# KiCad board Marble.kicad_pcb (continued)
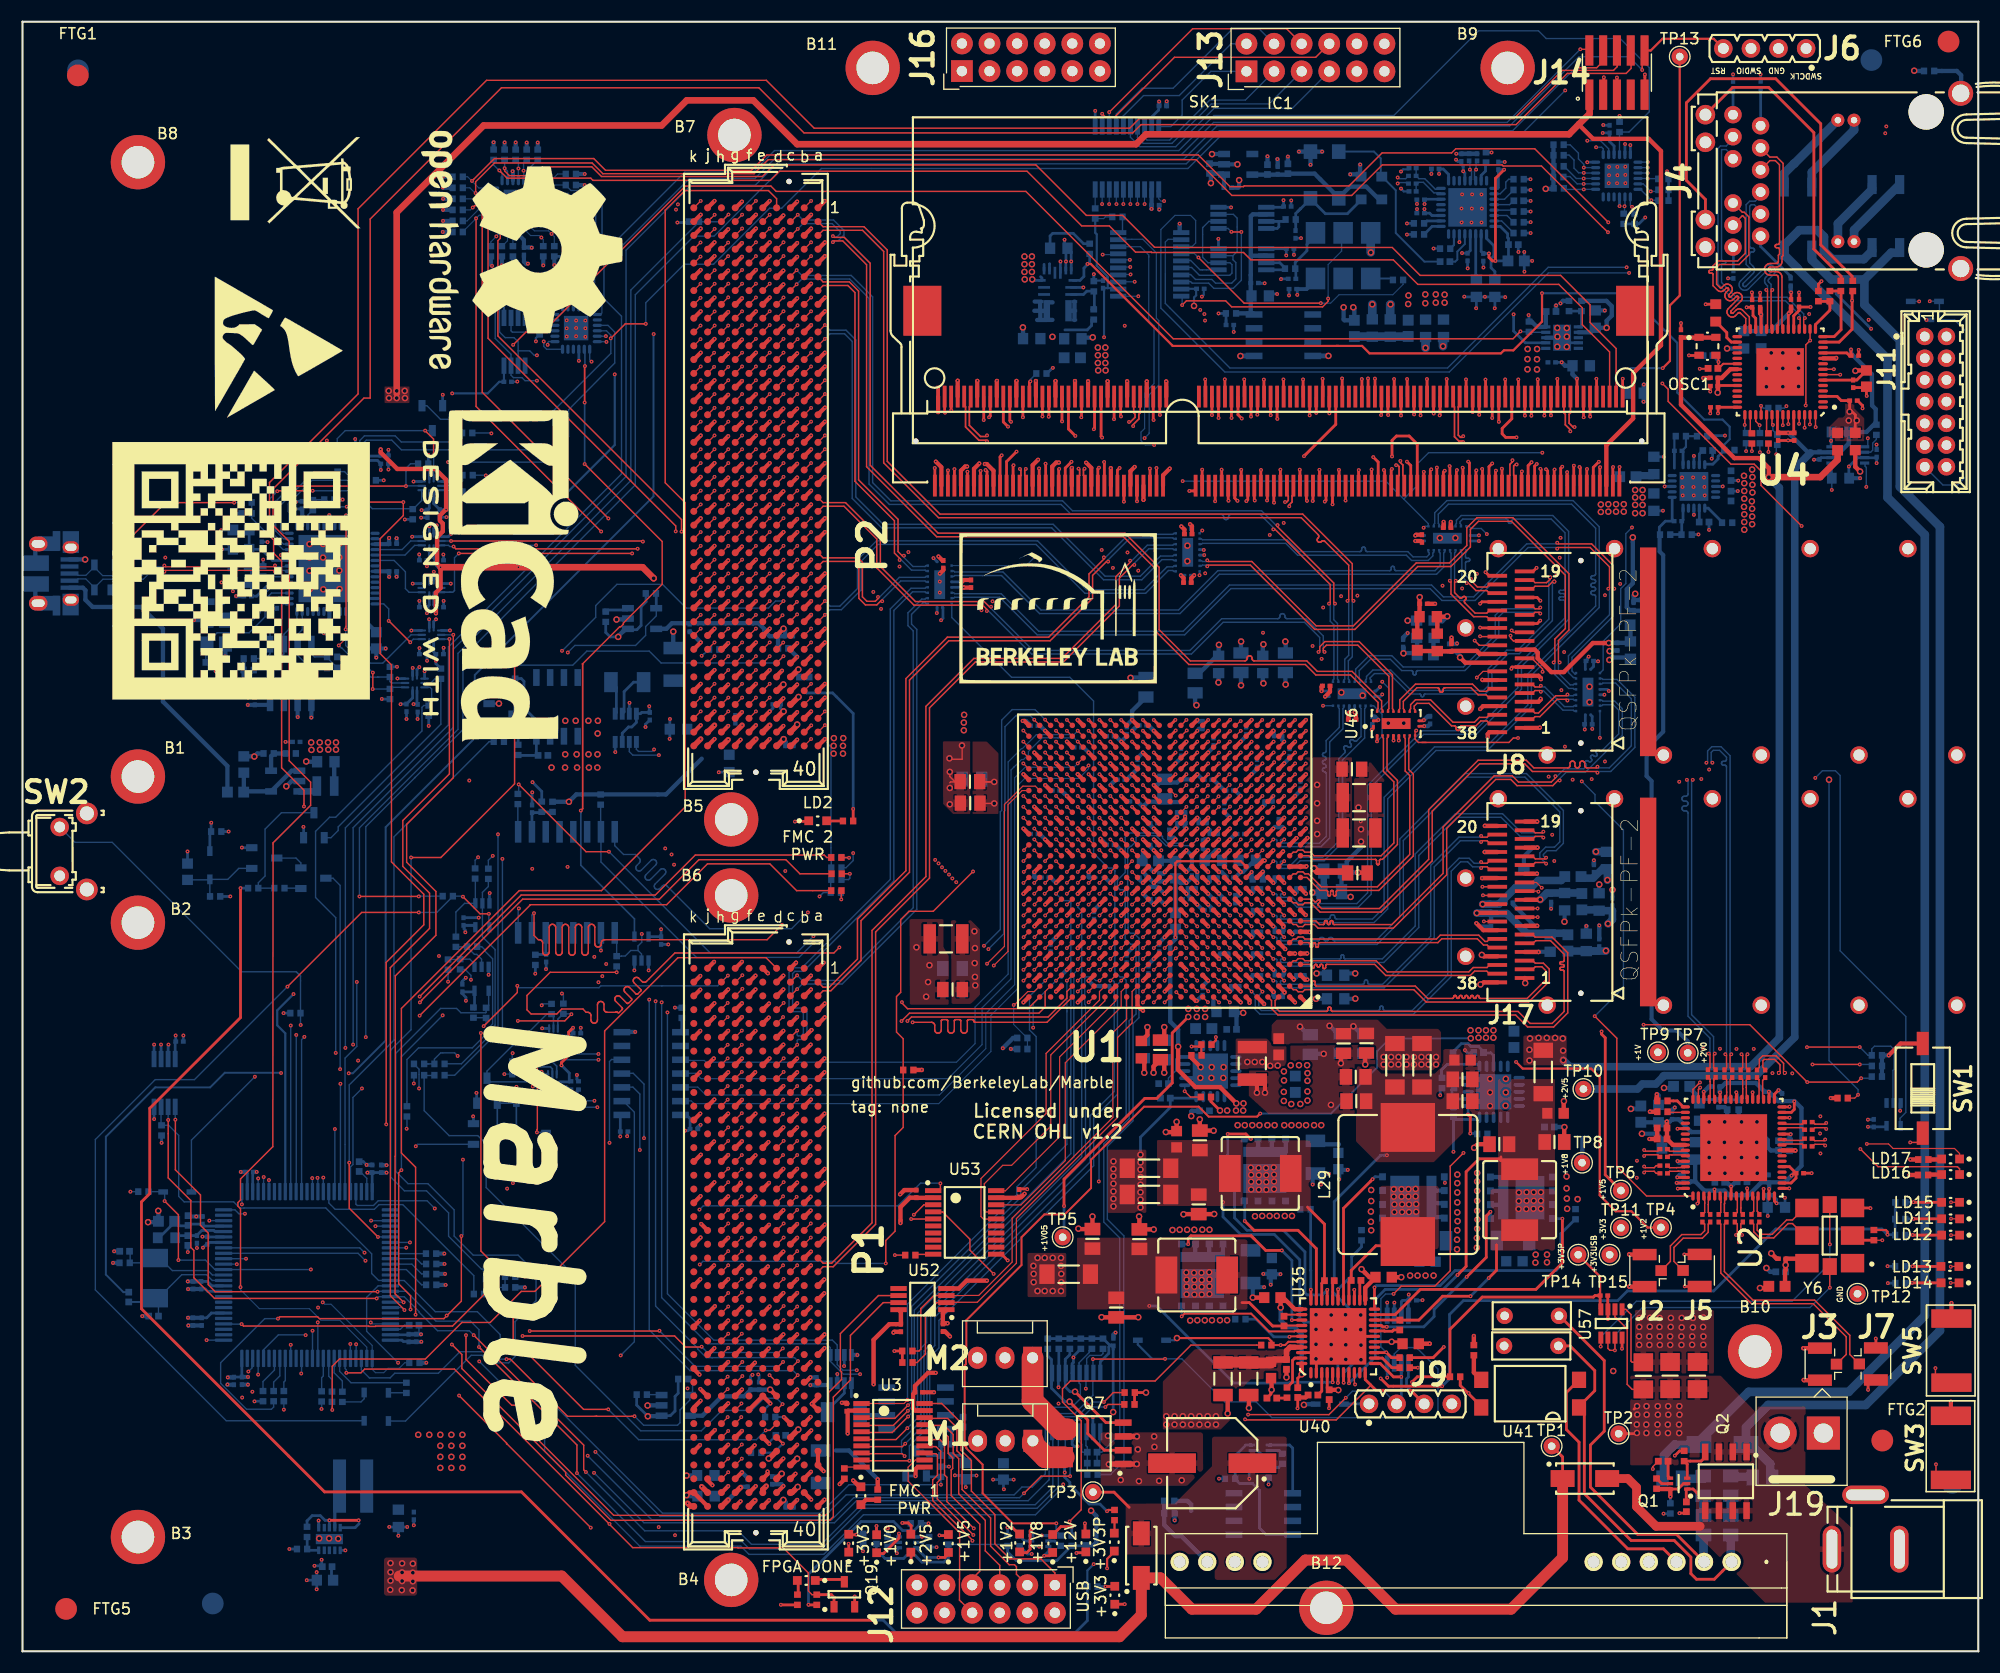
[diagram p0: board, top side]
## Routing (per net, layer and track width the routed paths; a pad name or vN(x,y) marks a point on that pad's centre or on a via; arc(x,y) is an arc through that point) (continued)
FMC1_LA_16_N: length 57.9
  Top w0.11: U1.K17 v1(101.12,68.73)
  Top w0.112: v1(66.2,40.63) 65.59,40.02 P1.G19
  In2.Cu w0.1: v1(66.2,40.63) 66.2,41.04 66.13,41.11 65.64,41.11 65.39,41.36 65.39,42.18 65.89,42.68 66.42,42.68 67.58,43.84 76.49,43.84 81.26,48.61 93.16,48.61 101.18,56.64 101.18,59.06 101.47,59.36 101.47,68.38 v1(101.12,68.73)
FMC1_LA_16_P: length 57.4
  Top w0.11: U1.K16 v1(102.12,68.73)
  Top w0.112: P1.G18 65.6,41.28 v1(66.2,41.88)
  In2.Cu w0.1: v1(66.2,41.88) 66.2,41.5 66.1,41.4 65.76,41.4 65.68,41.48 65.68,42.06 66.01,42.39 66.54,42.39 67.7,43.55 76.61,43.55 81.38,48.32 93.28,48.32 101.47,56.52 101.47,58.94 101.76,59.24 101.76,67.73 101.77,67.74 101.77,68.38 v1(102.12,68.73)
FMC1_LA_17_N: length 54.2
  Top w0.11: v1(109.1,62.74) 108.62,63.22 U1.D10
  Top w0.112: v1(70.05,38.08) 69.44,37.47 P1.D21
  In9.Cu w0.1: v1(109.1,62.74) 108.76,63.08 106.74,63.08 105.78,62.11 105.78,57.87 105.85,57.8 105.85,57.1 105.78,57.03 96.7,47.96 83.9,47.96 74.52,38.59 70.56,38.59 v1(70.05,38.08)
FMC1_LA_17_P: length 54.2
  Top w0.102: U1.E10 v1(109.12,63.73)
  Top w0.112: P1.D20 69.41,38.74 v1(70.05,39.38)
  In9.Cu w0.1: v1(109.12,63.73) 108.76,63.37 106.62,63.37 105.49,62.23 105.49,57.75 105.56,57.68 105.56,57.22 105.49,57.15 96.58,48.25 83.78,48.25 74.4,38.88 70.56,38.88 v1(70.05,39.38)
FMC1_LA_18_N: length 53.2
  Top w0.102: U1.C11 v1(108.12,61.73)
  Top w0.112: P1.C23 70.7,34.93 v1(71.3,35.53)
  In9.Cu w0.1: v1(108.12,61.73) 107.76,61.37 107.76,60.48 106.58,59.29 106.58,56.71 105.86,56 105.86,52.79 104.35,51.28 101.72,51.28 97.3,46.86 84.64,46.86 73.81,36.04 71.81,36.04 v1(71.3,35.53)
FMC1_LA_18_P: length 52.7
  Top w0.11: v1(107.1,61.74) 106.62,62.22 U1.C12
  Top w0.112: v1(71.3,36.83) 70.67,36.2 P1.C22
  In9.Cu w0.1: v1(71.3,36.83) 71.81,36.33 73.69,36.33 84.52,47.15 97.18,47.15 101.6,51.57 104.23,51.57 105.57,52.91 105.57,56.12 106.29,56.83 106.29,59.41 107.47,60.6 107.47,61.37 v1(107.1,61.74)
FMC1_LA_19_N: length 59.7
  Top w0.102: U1.G14 v1(104.12,65.73)
  Top w0.112: P1.H23 64.35,34.93 v1(64.95,35.53)
  In2.Cu w0.1: v1(64.95,35.53) 65.45,36.04 66.95,36.04 69.38,38.47 75.97,38.47 83.19,45.69 93.82,45.69 103.04,54.91 103.04,57.94 103.76,58.67 103.76,65.87 103.98,66.09 104.05,66.09 104.12,66.01 v1(104.12,65.73)
FMC1_LA_19_P: length 59.7
  Top w0.102: U1.H14 v1(104.12,66.73)
  Top w0.112: P1.H22 64.32,36.2 v1(64.95,36.83)
  In2.Cu w0.1: v1(104.12,66.73) 104.12,66.73 104.12,66.45 104.04,66.38 103.86,66.38 103.47,65.99 103.47,58.79 102.75,58.06 102.75,55.03 93.7,45.98 83.07,45.98 75.85,38.76 69.26,38.76 66.83,36.33 65.45,36.33 v1(64.95,36.83)
FMC1_LA_20_N: length 53
  Top w0.112: P1.G22 65.59,36.22 v1(66.2,36.83)
  Top w0.127: v1(103.12,59.72) 103.62,60.22 U1.A15
  In9.Cu w0.1: v1(103.12,59.72) 103.12,60.03 103.07,60.08 102.81,60.08 102.77,60.03 102.77,59.1 101.93,58.27 101.93,57.82 95.98,51.86 80.73,51.86 73.76,44.89 68.22,44.89 66.96,43.64 66.96,37.67 66.6,37.31 66.26,37.31 66.2,37.25 v1(66.2,36.83)
FMC1_LA_20_P: length 53
  Top w0.112: P1.G21 65.59,37.47 v1(66.2,38.08)
  Top w0.127: U1.B15 103.61,61.23 v1(103.12,60.73)
  In9.Cu w0.1: v1(103.12,60.73) 103.12,60.43 103.06,60.37 102.69,60.37 102.48,60.15 102.48,59.22 101.64,58.39 101.64,57.94 95.86,52.15 80.61,52.15 73.64,45.18 68.1,45.18 66.67,43.76 66.67,37.79 66.48,37.6 66.25,37.6 66.2,37.65 v1(66.2,38.08)
FMC1_LA_21_N: length 57.8
  Top w0.102: U1.D13 v1(105.12,62.73)
  Top w0.112: v1(64.95,31.73) 64.34,31.12 P1.H26
  In4.Cu w0.1: v1(105.12,62.73) 104.76,62.38 104.76,58.65 104.4,58.29 104.4,56.48 81.39,33.46 68.59,33.46 67.34,32.21 65.43,32.21 v1(64.95,31.73)
FMC1_LA_21_P: length 57.4
  Top w0.102: U1.D14 v1(104.12,62.73)
  Top w0.112: P1.H25 64.36,32.39 v1(64.95,32.98)
  In4.Cu w0.1: v1(104.12,62.73) 104.47,62.38 104.47,58.77 104.11,58.41 104.11,56.6 81.27,33.75 68.47,33.75 67.22,32.5 65.43,32.5 v1(64.95,32.98)
FMC1_LA_22_N: length 57.7
  Top w0.102: U1.A14 v1(104.12,59.73)
  Top w0.112: v1(66.2,33.03) 65.59,32.42 P1.G25
  In9.Cu w0.1: v1(66.2,33.03) 66.68,33.51 67.8,33.51 68.13,33.84 68.13,43.32 68.5,43.69 75.62,43.69 82.58,50.65 96.31,50.65 102.93,57.26 102.93,57.7 103.76,58.54 103.76,59.98 103.87,60.09 104.06,60.09 104.12,60.03 v1(104.12,59.73)
FMC1_LA_22_P: length 57.7
  Top w0.102: U1.B14 v1(104.12,60.73)
  Top w0.112: P1.G24 65.59,33.67 v1(66.2,34.28)
  In9.Cu w0.1: v1(104.12,60.73) 104.12,60.43 104.07,60.38 103.75,60.38 103.47,60.1 103.47,58.66 102.64,57.82 102.64,57.38 96.19,50.94 82.46,50.94 75.5,43.98 68.37,43.98 67.84,43.44 67.84,33.96 67.68,33.8 66.68,33.8 v1(66.2,34.28)
FMC1_LA_23_N: length 56.1
  Top w0.102: U1.F12 v1(107.12,64.73)
  Top w0.112: P1.D24 69.43,33.66 v1(70.05,34.28)
  In4.Cu w0.1: v1(70.05,34.28) 70.5,34.74 81.37,34.74 103.03,56.39 103.03,57.97 103.76,58.71 103.76,64.91 103.94,65.09 106.76,65.09 v1(107.12,64.73)
FMC1_LA_23_P: length 56.2
  Top w0.102: U1.G12 v1(107.12,65.73)
  Top w0.112: v1(70,35.53) 69.4,34.93 P1.D23
  In4.Cu w0.1: v1(70,35.53) 70.5,35.03 81.25,35.03 102.74,56.51 102.74,58.09 103.47,58.83 103.47,65.03 103.82,65.38 106.76,65.38 v1(107.12,65.73)
FMC1_LA_24_N: length 63.1
  Top w0.102: U1.A8 v1(111.12,59.73)
  Top w0.112: v1(64.95,27.93) 64.33,27.31 P1.H29
  In4.Cu w0.1: v1(64.95,27.93) 65.45,28.44 80.84,28.44 103.43,51.02 105.38,51.02 107.03,52.67 107.03,53.35 108.82,55.15 109.58,55.15 110.77,56.33 110.77,59.38 v1(111.12,59.73)
FMC1_LA_24_P: length 62.7
  Top w0.102: U1.A9 110.12,59.73 v1(110.12,59.73)
  Top w0.112: v1(64.95,29.23) 64.32,28.6 P1.H28
  In4.Cu w0.1: v1(110.12,59.73) 110.48,59.38 110.48,56.45 109.46,55.44 108.7,55.44 106.74,53.47 106.74,52.79 105.26,51.31 103.3,51.31 80.72,28.73 65.45,28.73 v1(64.95,29.23)
FMC1_LA_25_N: length 66.6
  Top w0.11: v1(110.12,65.72) 109.62,66.22 U1.G9
  Top w0.112: v1(66.2,29.23) 65.59,28.62 P1.G28
  In4.Cu w0.1: v1(110.12,65.72) 109.77,65.37 109.77,57.47 109.01,56.71 107.76,56.71 107.21,56.16 107.21,55.15 106.01,53.95 106.01,52.84 105,51.84 102.67,51.84 93.11,42.28 93.11,42.07 92.51,41.47 92.31,41.47 80.52,29.69 66.66,29.69 v1(66.2,29.23)
FMC1_LA_25_P: length 66.1
  Top w0.102: U1.G10 v1(109.12,65.73)
  Top w0.112: v1(66.2,30.43) 65.62,29.85 P1.G27
  In4.Cu w0.1: v1(109.12,65.73) 109.48,65.37 109.48,57.59 108.89,57 107.64,57 106.92,56.28 106.92,55.27 105.72,54.07 105.72,52.96 104.88,52.13 102.55,52.13 92.82,42.4 92.82,42.19 92.39,41.76 92.19,41.76 80.4,29.98 66.66,29.98 v1(66.2,30.43)
  In9.Cu w0.127: 109.12,65.73 v1(109.12,65.73)
FMC1_LA_26_N: length 56.5
  Top w0.11: U1.E12 v1(106.15,63.76)
  Top w0.112: P1.D27 69.42,29.85 v1(70.05,30.48)
  In4.Cu w0.1: v1(106.15,63.76) 106.15,64 106.06,64.1 105.9,64.1 105.79,64 105.79,58.33 106.13,57.99 106.13,56.85 80.26,30.99 70.56,30.99 v1(70.05,30.48)
FMC1_LA_26_P: length 56.6
  Top w0.11: v1(106.14,64.72) 105.65,64.23 U1.E13
  Top w0.112: v1(70.05,31.78) 69.4,31.13 P1.D26
  In4.Cu w0.1: v1(70.05,31.78) 70.56,31.28 80.14,31.28 105.84,56.97 105.84,57.87 105.5,58.21 105.5,64.15 105.75,64.39 106.04,64.39 106.14,64.49 v1(106.14,64.72)
FMC1_LA_27_N: length 54.3
  Top w0.102: U1.F13 v1(105.12,64.73)
  Top w0.112: P1.C27 70.67,29.85 v1(71.3,30.48)
  In7.Cu w0.1: v1(105.12,64.73) 104.76,64.38 104.76,58.15 104.38,57.76 104.38,55.9 79.44,30.96 71.78,30.96 v1(71.3,30.48)
FMC1_LA_27_P: length 53.9
  Top w0.102: U1.F14 v1(104.12,64.73)
  Top w0.112: P1.C26 70.69,31.12 v1(71.3,31.73)
  In7.Cu w0.1: v1(104.12,64.73) 104.47,64.38 104.47,58.27 104.09,57.88 104.09,56.02 79.32,31.25 71.78,31.25 v1(71.3,31.73)
  Bottom w0.127: v1(104.12,64.73) 104.12,64.71
FMC1_LA_28_N: length 71.3
  Top w0.102: U1.H13 v1(105.12,66.73)
  Top w0.112: P1.H32 64.32,23.55 v1(64.9,24.13)
  In2.Cu w0.1: 105.12,66.74 105.12,67.02 105.05,67.09 104.98,67.09 104.76,66.88 104.76,58.46 104.36,58.06 104.36,55.14 102.64,53.42 102.64,52.84 94.49,44.7 85.38,44.7 75.32,34.64 75.32,27.11 74,25.79 70.57,25.79 69.34,24.56 65.33,24.56 v1(64.9,24.13)
FMC1_LA_28_P: length 71.2
  Top w0.102: U1.J13 v1(105.12,67.73)
  Top w0.112: P1.H31 64.39,24.77 v1(64.9,25.28)
  In2.Cu w0.1: v1(64.9,25.28) 65.33,24.85 69.22,24.85 70.45,26.08 73.88,26.08 75.03,27.23 75.03,34.76 85.26,44.99 94.37,44.99 102.35,52.96 102.35,53.54 104.07,55.26 104.07,58.18 104.47,58.58 104.47,67 104.86,67.38 105.04,67.38 105.12,67.46 105.12,67.73
FMC1_LA_29_N: length 71.5
  Top w0.102: U1.F8 v1(111.12,64.73)
  Top w0.112: v1(66.25,25.33) 65.69,24.77 P1.G31
  In4.Cu w0.1: v1(66.25,25.33) 66.75,25.84 74.38,25.84 75.15,26.61 80.75,26.61 104.21,50.07 106.71,50.07 108.19,51.55 110.83,51.55 111.77,52.49 111.77,59.56 111.77,59.56 111.77,59.9 111.77,59.9 111.77,60.07 111.46,60.37 110.97,60.37 110.76,60.58 110.76,64.38 v1(111.12,64.73)
FMC1_LA_29_P: length 71
  Top w0.102: v1(110.12,64.73) 110.12,64.73 U1.F9
  Top w0.112: P1.G30 65.66,26.04 v1(66.25,26.63)
  In4.Cu w0.1: v1(66.25,26.63) 66.75,26.13 74.26,26.13 75.03,26.9 80.63,26.9 104.09,50.36 106.59,50.36 108.07,51.84 110.71,51.84 111.48,52.61 111.48,59.44 111.48,59.44 111.48,59.95 111.34,60.08 110.85,60.08 110.47,60.46 110.47,64.38 v1(110.12,64.73)
FMC1_LA_30_N: length 72.9
  Top w0.112: P1.H35 64.36,19.69 v1(64.95,20.28)
  Top w0.127: U1.B11 107.67,61.23 v1(108.13,60.77)
  In2.Cu w0.1: v1(108.13,60.77) 107.75,60.38 107.75,60.16 107.19,59.61 107.06,59.61 106.77,59.31 106.77,56.93 107.2,56.49 107.2,52.58 105.79,51.17 104.29,51.17 93.46,40.34 85.18,40.34 77.89,33.05 77.89,23.64 73.81,19.56 69.53,19.56 69.18,19.91 69.18,20.33 68.76,20.75 65.42,20.75 v1(64.95,20.28)
FMC1_LA_30_P: length 72.1
  Top w0.112: P1.H34 64.9,21.54 v1(64.9,21.56)
  Top w0.127: v1(107.08,60.76) 107.08,60.77 U1.B12
  In2.Cu w0.1: v1(107.08,60.76) 106.48,60.15 106.48,56.81 106.91,56.37 106.91,52.7 105.67,51.46 104.17,51.46 93.37,40.66 85.09,40.66 77.6,33.17 77.6,23.76 73.69,19.85 69.65,19.85 69.47,20.03 69.47,20.45 68.88,21.04 65.42,21.04 v1(64.9,21.56)
FMC1_LA_31_N: length 67.7
  Top w0.112: v1(66.15,21.56) 66.15,21.52 P1.G34
  Top w0.127: v1(106.19,60.67) 106.62,60.24 U1.A12
  In2.Cu w0.1: v1(106.19,60.67) 105.86,60.34 105.86,60.27 106,60.12 106,56.24 105.51,55.75 105.51,54.57 105.9,54.18 105.9,52.6 105.32,52.03 103.58,52.03 95.22,43.66 86.8,43.66 76.36,33.22 76.36,24.59 73.82,22.05 66.64,22.05 v1(66.15,21.56)
FMC1_LA_31_P: length 67.2
  Top w0.112: 65.61,22.22 66.17,22.78
  Top w0.127: U1.A13 105.62,60.23 v1(105.12,59.73)
  In2.Cu w0.1: v1(105.12,59.73) 105.49,60.11 105.61,60.11 105.71,60 105.71,56.36 105.22,55.87 105.22,54.45 105.61,54.06 105.61,52.73 105.2,52.32 103.46,52.32 95.1,43.95 86.68,43.95 76.07,33.34 76.07,24.71 73.7,22.34 66.64,22.34 v1(66.17,22.81)
FMC1_LA_32_N: length 75.8
  Top w0.102: U1.C13 v1(105.12,61.73)
  Top w0.112: P1.H38 64.35,15.88 v1(64.95,16.48)
  In9.Cu w0.1: v1(105.12,61.73) 104.76,61.38 104.76,58.47 104.43,58.14 104.43,57.23 96.68,49.48 83.22,49.48 73.65,39.9 69.88,39.9 69.57,39.6 69.57,17.33 69.2,16.96 65.43,16.96 65.12,16.66 65.12,16.66 v1(64.95,16.48)
FMC1_LA_32_P: length 75.3
  Top w0.102: U1.C14 v1(104.12,61.73)
  Top w0.112: P1.H37 64.37,17.15 v1(64.95,17.73)
  In9.Cu w0.1: v1(104.12,61.73) 104.47,61.38 104.47,58.59 104.14,58.26 104.14,57.35 96.56,49.77 83.1,49.77 73.53,40.19 69.76,40.19 69.28,39.72 69.28,17.45 69.08,17.25 65.43,17.25 65.13,17.56 65.12,17.56 v1(64.95,17.73)
FMC1_LA_33_N: length 82.9
  Top w0.112: P1.G37 65.62,17.15 v1(66.2,17.73)
  Top w0.127: v1(109.1,59.75) 108.62,60.23 U1.A10
  In9.Cu w0.1: v1(66.2,17.73) 65.69,18.24 64.62,18.24 64.4,18.02 64.4,16.17 64.72,15.86 70.96,15.86 71.1,16 71.31,16 71.87,16.56 71.87,20.64 71.68,20.83 71.68,25.23 71.72,25.27 71.72,26.88 71.68,26.92 71.68,33.76 72.84,34.91 74.18,34.91 84.91,45.63 98.21,45.63 102.83,50.25 104.53,50.25 106.94,52.65 106.94,54.02 108.16,55.24 108.16,56.49 109.46,57.79 109.46,60.02 109.36,60.12 109.19,60.12 109.1,60.03 v1(109.1,59.75)
FMC1_LA_33_P: length 84.6
  Top w0.112: v1(66.2,19.03) 65.59,18.42 P1.G36
  Top w0.127: U1.B10 108.65,61.23 v1(109.13,60.75)
  In9.Cu w0.1: v1(109.13,60.75) 109.75,60.13 109.75,57.67 108.45,56.37 108.45,55.12 107.23,53.9 107.23,52.53 104.65,49.96 102.95,49.96 98.33,45.34 85.03,45.34 74.3,34.62 72.96,34.62 71.97,33.64 71.97,27.04 72.01,27 72.01,25.15 71.97,25.11 71.97,20.95 72.16,20.76 72.16,16.44 71.43,15.71 71.22,15.71 71.08,15.57 64.6,15.57 64.11,16.05 64.11,18.14 64.5,18.53 65.69,18.53 v1(66.2,19.03)
FMC2_DP0_C2M_N: length 90.4
  Top w0.127: v1(71.35,130.93) 70.75,130.33 P2.C3
  Top w0.13: v1(74.58,130.26) 74.69,130.15 75.63,130.15 78.01,127.77 78.01,109.18 84.27,102.92 101.46,102.92 104.61,99.78 104.61,94.04 107.48,91.16 112.48,91.16 112.53,91.17 112.58,91.19 112.62,91.21 112.66,91.25 112.68,91.29 112.7,91.34 112.71,91.39 112.71,91.41 112.71,91.46 112.73,91.51 112.76,91.55 112.79,91.59 112.83,91.62 112.88,91.63 112.93,91.64 112.98,91.63 113.03,91.62 113.07,91.59 113.11,91.55 113.13,91.51 113.15,91.46 113.16,91.41 113.16,91.39 113.16,91.34 113.18,91.29 113.21,91.25 113.24,91.21 113.28,91.19 113.33,91.17 113.38,91.16 118.2,91.16 119.17,90.2 122.37,90.2 125.09,87.48 125.09,86.76 125.17,86.67 125.17,86.5
  Bottom w0.13: v1(71.35,130.93) 71.84,131.42 74.51,131.42 75.27,130.66 75.27,130.5 74.92,130.15 74.69,130.15 v1(74.58,130.26)
FMC2_DP0_C2M_P: length 90.4
  Top w0.127: v1(71.35,132.23) 70.72,131.6 P2.C2
  Top w0.13: 124.67,86.5 124.67,86.67 124.75,86.76 124.75,87.34 122.23,89.87 119.03,89.87 118.06,90.83 107.35,90.83 104.28,93.9 104.28,99.64 101.33,102.59 84.13,102.59 77.68,109.04 77.68,127.63 75.49,129.82 74.69,129.82 v1(74.58,129.71)
  Bottom w0.13: v1(74.58,129.71) 74.69,129.82 75.06,129.82 75.6,130.36 75.6,130.79 74.65,131.75 71.84,131.75 v1(71.35,132.23)
FMC2_DP0_M2C_N: length 81.7
  Top w0.127: P2.C7 70.67,125.25 v1(71.25,125.83)
  Top w0.13: v1(120.25,96.43) 120.36,96.54 120.36,98.19 115.27,103.28 v1(115.12,103.28)
  Bottom w0.13: v1(115.12,103.28) 115.12,103.43 113.9,104.65 111.22,104.65 111.17,104.65 111.12,104.63 111.08,104.6 111.05,104.57 111.02,104.52 111,104.48 111,104.43 111,104.39 110.99,104.34 110.97,104.3 110.95,104.25 110.91,104.22 110.87,104.19 110.82,104.17 110.77,104.17 110.72,104.17 110.67,104.19 110.63,104.22 110.6,104.25 110.57,104.3 110.55,104.34 110.55,104.39 110.55,104.43 110.54,104.48 110.52,104.52 110.5,104.57 110.46,104.6 110.42,104.63 110.37,104.65 110.32,104.65 96.5,104.65 95.59,105.57 79.79,105.57 77.91,107.44 77.91,124.53 76.13,126.32 71.73,126.32 v1(71.25,125.83) ; v1(120.25,96.43) 120.36,96.32 120.36,94.82 120.69,94.48 120.69,89.5 120.61,89.41 U48.12
FMC2_DP0_M2C_P: length 81.7
  Top w0.127: v1(71.25,127.13) 70.67,126.55 P2.C6
  Top w0.13: v1(120.8,96.43) 120.69,96.54 120.69,98.33 115.51,103.51 v1(115.51,103.66)
  Bottom w0.13: v1(71.25,127.13) 71.73,126.65 76.27,126.65 78.24,124.67 78.24,107.58 79.92,105.9 95.72,105.9 96.64,104.98 114.04,104.98 115.35,103.66 v1(115.51,103.66) ; v1(120.8,96.43) 120.69,96.32 120.69,94.95 121.03,94.61 121.03,89.5 121.11,89.41 U48.13
FMC2_DP1_C2M_N: length 68.9
  Top w0.13: P2.A23 73.68,105.4 75.61,105.4 78.62,102.39 78.62,99.72 82.05,96.29 88.37,96.29 88.75,95.91 v1(88.75,95.76) ; v1(119.28,91.99) 119.39,92.1 119.39,92.46 119.87,92.94 123.03,92.94 126.09,89.88 126.09,86.76 126.17,86.67 126.17,86.5
  Bottom w0.13: v1(119.28,91.99) 119.39,92.1 119.39,93.32 117.99,94.72 110.5,94.72 107.58,91.8 92.87,91.8 88.91,95.76 v1(88.75,95.76)
FMC2_DP1_C2M_P: length 68.9
  Top w0.13: v1(89.14,96.15) 88.99,96.15 88.51,96.62 82.18,96.62 78.95,99.86 78.95,102.52 75.74,105.73 73.68,105.73 P2.A22 ; 125.67,86.5 125.67,86.67 125.75,86.76 125.75,89.75 122.89,92.61 120,92.61 119.72,92.33 119.72,92.1 v1(119.83,91.99)
  Bottom w0.13: v1(89.14,96.15) 89.14,95.99 93,92.13 107.45,92.13 110.37,95.05 115.5,95.05 115.55,95.06 115.6,95.07 115.64,95.1 115.68,95.13 115.71,95.18 115.72,95.22 115.73,95.27 115.73,95.29 115.73,95.34 115.75,95.39 115.78,95.43 115.81,95.47 115.86,95.5 115.9,95.51 115.95,95.52 116,95.51 116.05,95.5 116.09,95.47 116.13,95.43 116.16,95.39 116.17,95.34 116.18,95.29 116.18,95.27 116.18,95.22 116.2,95.18 116.23,95.13 116.26,95.1 116.31,95.07 116.35,95.06 116.4,95.05 118.12,95.05 119.72,93.45 119.72,92.1 v1(119.83,91.99)
FMC2_DP1_M2C_N: length 84.8
  Top w0.13: v1(121.95,96.69) 122.06,96.8 122.06,99.97 119.87,102.16 119.83,102.19 119.79,102.21 119.74,102.22 119.69,102.22 119.64,102.21 119.59,102.19 119.55,102.16 119.54,102.15 119.5,102.11 119.46,102.09 119.41,102.08 119.36,102.08 119.31,102.09 119.26,102.11 119.22,102.15 119.19,102.18 119.17,102.23 119.16,102.28 119.16,102.33 119.17,102.38 119.19,102.42 119.22,102.46 119.24,102.48 119.27,102.52 119.29,102.56 119.3,102.61 119.3,102.66 119.29,102.71 119.27,102.76 119.24,102.79 117.68,104.35 84.31,104.35 79.26,109.4 79.26,128.85 77.31,130.8 73.68,130.8 P2.A3
  Bottom w0.13: U48.14 121.61,89.41 121.69,89.5 121.69,91.31 122.06,91.68 122.06,96.58 v1(121.95,96.69)
FMC2_DP1_M2C_P: length 84.8
  Top w0.13: v1(122.5,96.69) 122.39,96.8 122.39,100.11 117.82,104.68 84.44,104.68 79.59,109.53 79.59,128.99 77.45,131.13 73.68,131.13 P2.A2
  Bottom w0.13: v1(122.5,96.69) 122.39,96.58 122.39,91.54 122.03,91.18 122.03,89.5 122.11,89.41 U48.15
FMC2_DP2_C2M_N: length 14.9
  Top w0.13: v1(79.12,96.66) 78.97,96.66 78.63,96.32 77.58,96.32 76.97,96.92 76.97,100.1 76.75,100.32 73.68,100.32 P2.A27
  Bottom w0.13: 83.33,98.44 83.15,98.44 83.07,98.52 80.83,98.52 79.12,96.81 v1(79.12,96.66)
FMC2_DP2_C2M_P: length 14.9
  Top w0.13: P2.A26 73.68,100.65 76.89,100.65 77.3,100.24 77.3,97.06 77.71,96.65 78.49,96.65 78.73,96.89 v1(78.73,97.05)
  Bottom w0.13: v1(78.73,97.05) 78.89,97.05 80.69,98.85 83.07,98.85 83.15,98.94 83.33,98.94
FMC2_DP2_M2C_N: length 33.2
  Top w0.13: v1(80.73,100.46) 80.73,100.61 80.25,101.09 80.25,104.06 76.62,107.69 76.62,125.07 75.96,125.72 73.68,125.72 P2.A7
  Bottom w0.13: v1(80.73,100.46) 80.88,100.46 81.82,99.52 83.07,99.52 83.15,99.44 83.33,99.44
FMC2_DP2_M2C_P: length 33.2
  Top w0.13: P2.A6 73.68,126.05 76.1,126.05 76.95,125.2 76.95,107.83 80.58,104.2 80.58,101.23 80.96,100.85 v1(81.12,100.85)
  Bottom w0.13: v1(81.12,100.85) 81.12,100.69 81.95,99.85 83.07,99.85 83.15,99.94 83.33,99.94
FMC2_DP3_C2M_N: length 40.2
  Top w0.112: P2.A31 v1(73.85,95.41)
  Bottom w0.13: v1(73.85,95.41) 74.32,95.88 75.36,95.88 77.17,97.69 77.17,100.33 78.73,101.88 93.29,101.88 97.78,97.39 103.37,97.39 105.47,99.48 105.87,99.48 105.96,99.4 106.13,99.4
FMC2_DP3_C2M_P: length 40.2
  Top w0.112: P2.A30 v1(73.85,96.68)
  Bottom w0.13: 106.13,99.9 105.96,99.9 105.87,99.81 105.33,99.81 103.23,97.72 97.92,97.72 93.42,102.21 78.59,102.21 76.84,100.47 76.84,97.82 75.23,96.21 74.32,96.21 v1(73.85,96.68)
FMC2_DP3_M2C_N: length 52
  Top w0.112: P2.A11 v1(73.85,120.81)
  Bottom w0.13: 106.13,100.4 105.96,100.4 105.87,100.48 104.87,100.48 103.01,98.63 99.5,98.63 94.72,103.41 79.08,103.41 76.36,106.12 76.36,120.57 75.66,121.28 74.32,121.28 v1(73.85,120.81)
FMC2_DP3_M2C_P: length 52
  Top w0.112: P2.A10 v1(73.85,122.08)
  Bottom w0.13: v1(73.85,122.08) 74.32,121.61 75.8,121.61 76.69,120.71 76.69,106.26 79.21,103.74 94.86,103.74 99.63,98.96 102.88,98.96 104.73,100.81 105.87,100.81 105.96,100.9 106.13,100.9
FMC2_HA00_CC_N: length 76.9
  Top w0.11: v1(96.12,71.73) 96.12,71.73 U1.N22
  Top w0.112: P2.F5 v1(67.5,128.43)
  In4.Cu w0.1: v1(96.12,71.73) 96.47,72.09 96.47,81.89 96.28,82.09 95.83,82.09 95.47,82.44 95.47,92.05 92.07,95.45 92.07,98.44 89.82,100.69 89.82,101.62 80.53,110.91 80.53,125.26 76.87,128.92 67.99,128.92 v1(67.5,128.43)
FMC2_HA00_CC_P: length 77.4
  Top w0.11: U1.N21 97.12,71.73 v1(97.12,71.73)
  Top w0.112: P2.F4 v1(67.5,129.7)
  In4.Cu w0.1: v1(67.5,129.7) 67.99,129.21 76.99,129.21 80.82,125.38 80.82,111.03 90.11,101.74 90.11,100.81 92.36,98.56 92.36,95.57 95.76,92.17 95.76,82.56 95.95,82.38 96.4,82.38 96.76,82.01 96.76,72.09 v1(97.12,71.73)
FMC2_HA01_CC_N: length 81.9
  Top w0.11: U1.P21 97.12,73.73 v1(97.12,73.73)
  Top w0.112: P2.E3 v1(68.77,130.97)
  In4.Cu w0.1: v1(68.77,130.97) 67.99,131.74 67.99,132.64 68.41,133.05 75.89,133.05 82.95,126 82.95,112.84 86.48,109.31 86.48,108.05 91.37,103.15 91.37,101.23 93.36,99.24 93.36,96.04 96.76,92.63 96.76,83.38 97.86,82.28 98.28,82.28 98.76,81.8 98.76,74.47 98.38,74.09 97.47,74.09 v1(97.12,73.73)
FMC2_HA01_CC_P: length 80.1
  Top w0.11: U1.R21 97.12,74.73 v1(97.12,74.73)
  Top w0.112: P2.E2 v1(68.77,132.24)
  In4.Cu w0.1: v1(68.77,132.24) 68.77,131.82 68.69,131.75 68.58,131.75 68.28,132.04 68.28,132.52 68.53,132.76 75.77,132.76 82.66,125.88 82.66,112.81 86.24,109.22 86.24,107.87 91.08,103.03 91.08,101.11 93.07,99.12 93.07,95.92 96.47,92.51 96.47,83.26 97.74,81.99 98.16,81.99 98.47,81.68 98.47,74.59 98.26,74.38 97.47,74.38 v1(97.12,74.73)
FMC2_HA02_N: length 76.5
  Top w0.11: v1(98.11,76.73) 98.12,76.73 U1.U20
  Top w0.112: P2.K8 61.8,123.98 v1(62.4,124.58)
  In7.Cu w0.1: v1(62.4,124.58) 62.91,125.09 65.03,125.09 65.57,124.54 65.57,124.26 65.93,123.91 66.2,123.91 66.26,123.86 75.84,123.86 80.55,119.15 80.55,109.45 83.59,106.4 84.11,106.4 88.8,101.71 88.8,98 90.25,96.56 90.25,83.15 91,82.39 91,79.72 91.64,79.08 91.94,79.08 91.94,79.09 92.28,79.09 92.29,79.08 92.94,79.08 92.94,79.09 96.29,79.09 96.29,79.08 97.32,79.08 97.47,78.93 97.47,78.38 97.74,78.1 98.29,78.1 98.47,77.92 98.47,77.09 v1(98.11,76.73)
FMC2_HA02_P: length 77
  Top w0.11: U1.U19 v1(99.12,76.73)
  Top w0.112: P2.K7 61.78,125.26 v1(62.4,125.88)
  In7.Cu w0.1: v1(99.12,76.73) 98.76,77.09 98.76,78.04 98.41,78.39 97.86,78.39 97.76,78.5 97.76,79.05 97.44,79.37 96.41,79.37 96.41,79.38 92.82,79.38 92.82,79.37 92.41,79.37 92.4,79.38 91.82,79.38 91.82,79.37 91.76,79.37 91.29,79.84 91.29,82.51 90.54,83.27 90.54,96.68 89.09,98.12 89.09,101.83 84.23,106.69 83.71,106.69 80.84,109.57 80.84,119.27 75.96,124.15 66.38,124.15 66.33,124.2 66.05,124.2 65.86,124.38 65.86,124.66 65.15,125.38 62.91,125.38 v1(62.4,125.88)
FMC2_HA03_N: length 82.6
  Top w0.11: U1.T19 v1(99.12,75.73)
  Top w0.112: P2.J7 63.07,125.25 v1(63.7,125.88)
  In9.Cu w0.1: v1(99.12,75.73) 99.47,76.09 99.47,77.87 99.27,78.08 98.84,78.08 98.48,78.45 98.48,89.45 90.8,97.12 90.8,107.8 87.7,110.9 87.7,115.21 88.56,116.07 88.56,123.4 84.3,127.66 67.12,127.66 66.96,127.5 66.96,126.91 66.42,126.36 64.18,126.36 v1(63.7,125.88)
FMC2_HA03_P: length 83.1
  Top w0.11: U1.T18 v1(100.12,75.73)
  Top w0.112: v1(63.7,127.13) 63.09,126.52 P2.J6
  In9.Cu w0.1: v1(63.7,127.13) 64.18,126.65 66.3,126.65 66.67,127.03 66.67,127.62 67,127.95 84.42,127.95 88.85,123.52 88.85,115.95 87.99,115.09 87.99,111.02 91.09,107.92 91.09,97.24 98.77,89.57 98.77,78.57 98.96,78.37 99.39,78.37 99.76,77.99 99.76,76.09 v1(100.12,75.73)
FMC2_HA04_N: length 73.7
  Top w0.11: U1.R17 v1(101.12,74.73)
  Top w0.112: P2.F8 v1(67.5,124.62)
  In7.Cu w0.1: v1(67.5,124.62) 67.99,125.11 76.11,125.11 83.52,117.7 83.52,110.25 83.05,109.78 83.05,108.31 83.9,107.46 84.6,107.46 90.37,101.68 90.37,99.19 93.62,95.95 93.62,89.93 97.47,86.07 97.47,80.42 98.81,79.08 101.29,79.08 101.47,78.9 101.47,75.09 v1(101.12,74.73)
FMC2_HA04_P: length 74.2
  Top w0.11: U1.R16 v1(102.12,74.73)
  Top w0.112: P2.F7 v1(67.5,125.89)
  In7.Cu w0.1: v1(102.12,74.73) 101.76,75.09 101.76,79.02 101.41,79.37 98.93,79.37 97.76,80.54 97.76,86.19 93.91,90.05 93.91,96.07 90.66,99.31 90.66,101.8 84.72,107.75 84.02,107.75 83.34,108.43 83.34,109.66 83.81,110.13 83.81,117.82 76.23,125.4 67.99,125.4 v1(67.5,125.89)
FMC2_HA05_N: length 79.1
  Top w0.11: U1.N17 v1(102.12,72.73)
  Top w0.112: P2.E7 v1(68.77,125.89)
  In9.Cu w0.1: v1(102.12,72.73) 101.76,73.09 98.85,73.09 98.47,73.46 98.47,73.92 98.47,73.93 98.47,76.89 98.27,77.09 97.82,77.09 97.47,77.44 97.47,89.08 89.68,96.88 89.68,105.8 87.41,108.06 87.41,109.67 86.8,110.28 86.8,114.63 85.34,116.08 85.34,123.28 82.25,126.38 69.26,126.38 v1(68.77,125.89)
FMC2_HA05_P: length 79.1
  Top w0.11: U1.P16 v1(102.12,73.73)
  Top w0.112: P2.E6 v1(68.77,127.16)
  In9.Cu w0.1: v1(68.77,127.16) 69.26,126.67 82.37,126.67 85.63,123.4 85.63,116.2 87.09,114.75 87.09,110.31 87.7,109.7 87.7,108.18 89.97,105.92 89.97,97 97.76,89.2 97.76,77.56 97.94,77.38 98.39,77.38 98.76,77.01 98.76,73.59 98.97,73.38 101.76,73.38 v1(102.12,73.73)
FMC2_HA06_N: length 79.1
  Top w0.11: U1.P18 v1(100.12,73.73)
  Top w0.112: v1(62.4,120.78) 61.79,120.17 P2.K11
  In7.Cu w0.1: v1(62.4,120.78) 62.88,121.26 65.16,121.26 65.48,120.95 65.48,118.07 66.06,117.48 74.17,117.48 75.26,116.39 75.26,107.07 80.62,101.71 81.54,101.71 81.95,101.3 81.95,89.71 82.82,88.84 82.82,78.69 87.42,74.09 92,74.09 92,74.09 92.34,74.09 92.35,74.09 98.91,74.09 98.94,74.11 99.28,74.11 99.3,74.09 99.76,74.09 v1(100.12,73.73)
FMC2_HA06_P: length 79.1
  Top w0.11: U1.R18 v1(100.12,74.73)
  Top w0.112: v1(62.4,122.03) 61.81,121.44 P2.K10
  In7.Cu w0.1: v1(100.12,74.73) 99.76,74.38 99.42,74.38 99.4,74.4 98.43,74.4 98.41,74.38 92.47,74.38 92.46,74.38 91.88,74.38 91.88,74.38 87.54,74.38 83.11,78.81 83.11,88.96 82.24,89.83 82.24,101.42 81.66,102 80.74,102 75.55,107.19 75.55,116.51 74.29,117.77 66.18,117.77 65.77,118.19 65.77,121.07 65.28,121.55 62.88,121.55 v1(62.4,122.03)
FMC2_HA07_N: length 70.3
  Top w0.11: U1.T25 v1(93.12,75.73)
  Top w0.112: P2.J10 63.11,121.44 v1(63.7,122.03)